# Allegro board PandaX_III_V3.brd (continued)
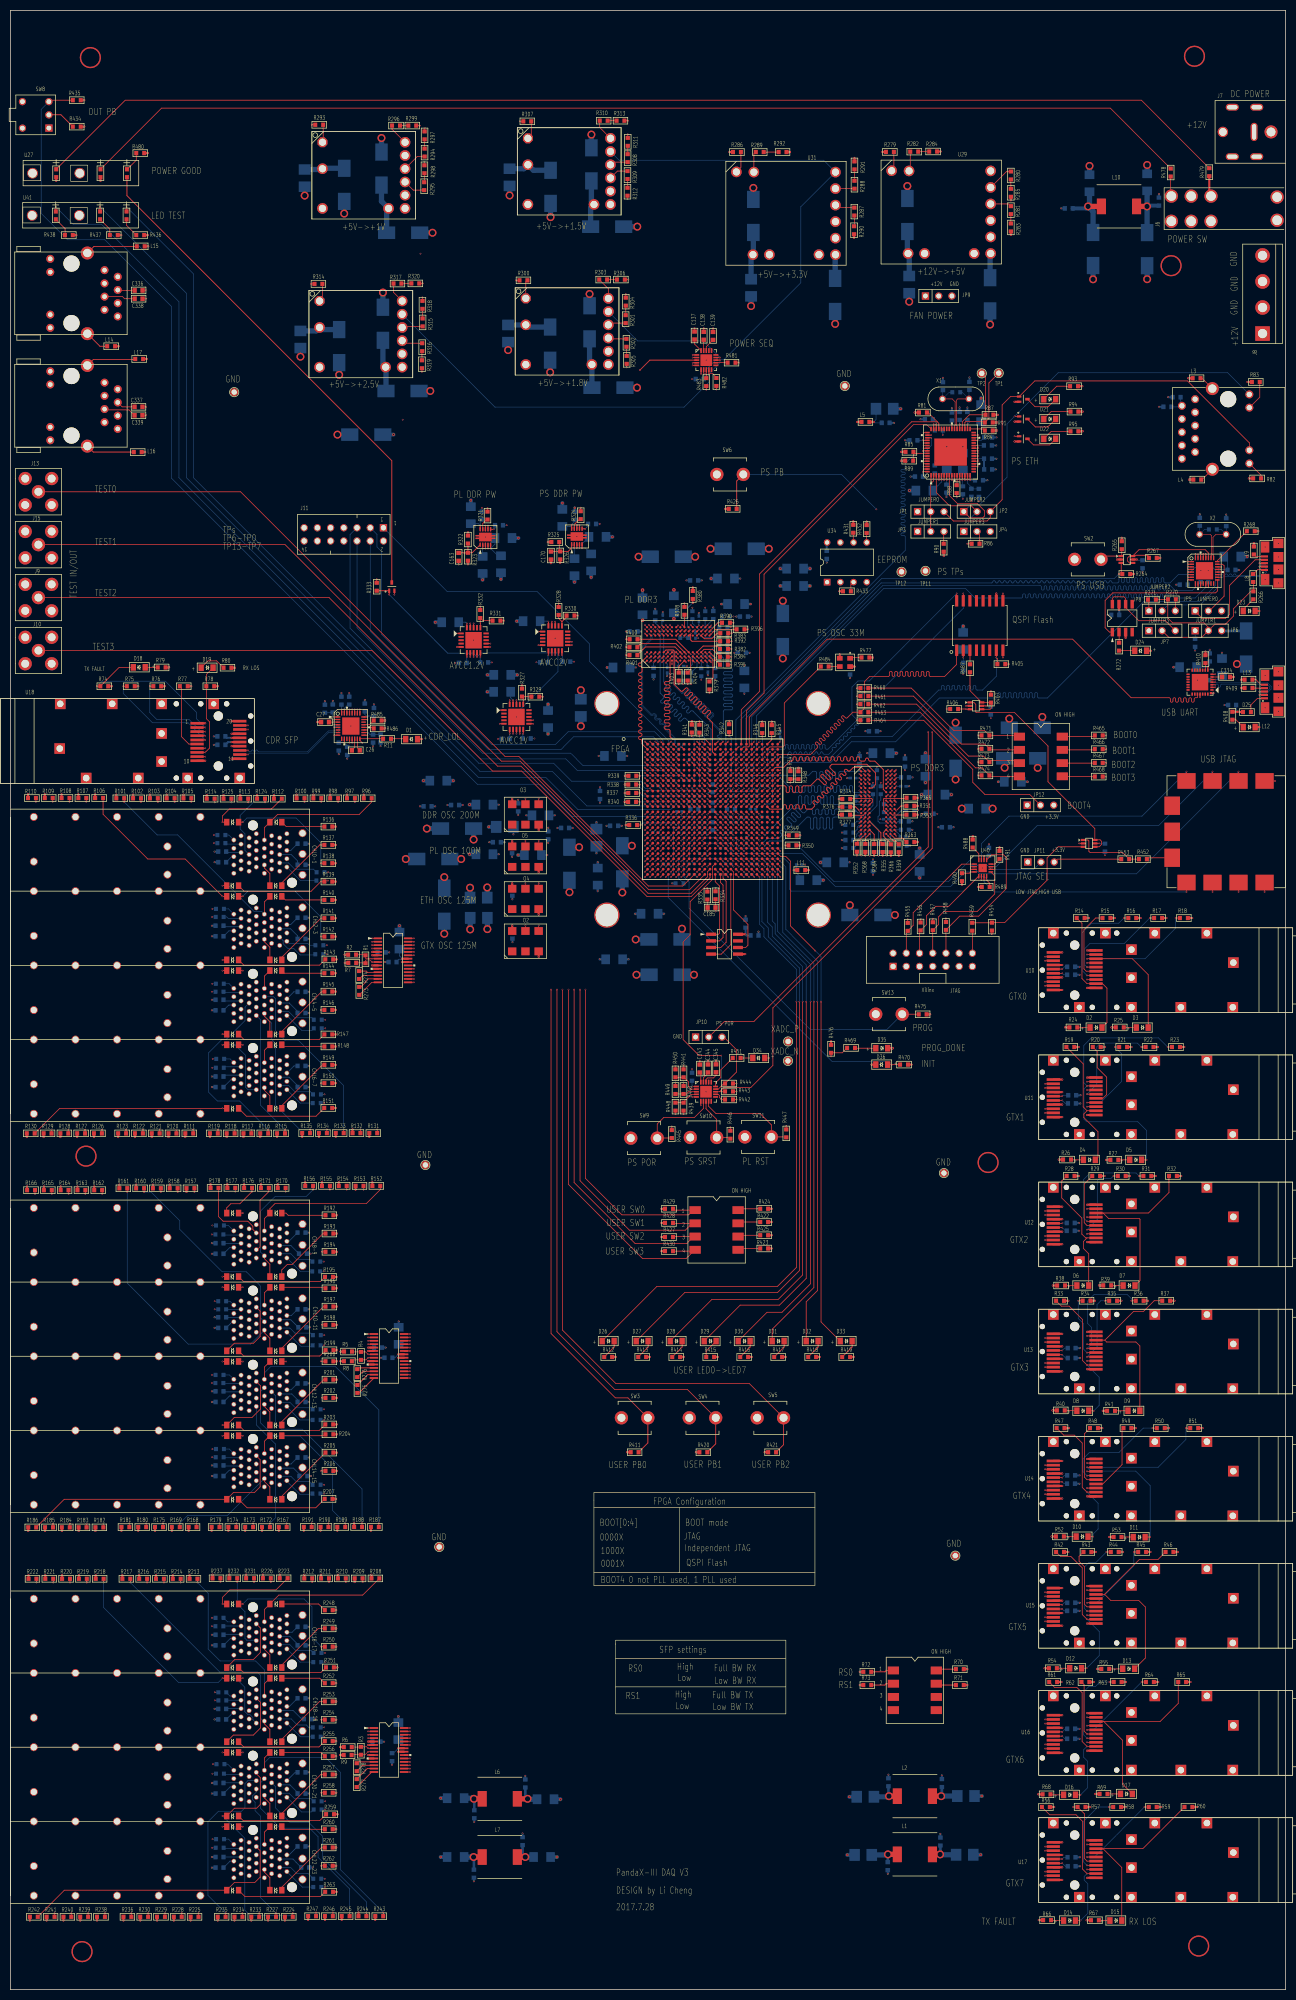
[diagram p0: board, top side]
## Nets (continued)

## Via types
v1: diameter 0.305, hole 0.203, TOP to BOTTOM, 2209 vias
v2: diameter 0.406, hole 0.203, TOP to BOTTOM, 9 vias
v3: diameter 1.524, hole 1.016, TOP to BOTTOM, 74 vias
v4: diameter 0.508, hole 0.254, TOP to BOTTOM, 53 vias
v5: diameter 0.66, hole 0.305, TOP to BOTTOM, 4 vias
v6: diameter 4.064, hole 3.556, TOP to BOTTOM, 7 vias

## Routing (per net, layer and track width the routed paths; a pad name or vN(x,y) marks a point on that pad's centre or on a via; arc(x,y) is an arc through that point)
AVCC1V: length 15.5
  TOP w0.102: U1.AE8 v1(128.92,214.62) ; U1.AD6 v1(126.92,215.62) ; U1.R4 v1(124.92,224.62) ; U1.AB6 v1(126.92,217.62) ; U1.AA4 v1(124.92,218.62) ; U1.U4 v1(124.92,222.62) ; U1.Y6 v1(126.92,219.62) ; U1.AC8 v1(128.92,216.62) ; U1.T6 v1(126.92,223.62) ; U1.AA8 v1(128.92,218.62)
  TOP w0.152: U20.20 v1(95.93,247.56) ; R327.1 v1(98.3,250.47) ; U20.18 v1(97.23,247.56) ; U20.19 v1(96.58,247.56) ; U20.1 v1(94.02,245.65)
  BOTTOM w0.152: C228.1 124.43,222.13 v1(124.92,222.62) ; C178.1 96.12,248.02 v1(96.58,247.56) ; v1(126.92,215.62) 126.44,216.1 C227.1
  BOTTOM w0.762: C229.1 v4(103.3,246.81)
AVCC1V2: length 15.3
  TOP w0.102: U1.AB7 v1(127.92,217.62) ; U1.W4 v1(124.92,220.62) ; U1.Y2 v1(122.92,219.62) ; U1.AE4 v1(124.92,214.62) ; U1.AF6 v1(126.92,213.62) ; U1.AC4 v1(124.92,216.62) ; U1.AD2 v1(122.92,215.62) ; U1.V2 v1(122.92,221.62) ; U1.AF2 v1(122.92,213.62) ; U1.T2 v1(122.92,223.62) ; U1.AB2 v1(122.92,217.62)
  TOP w0.152: U22.1 v1(85.79,260.38) ; U22.20 v1(87.7,262.29) ; U22.18 v1(89,262.29) ; R331.1 v1(94.84,262.84) ; U22.19 v1(88.35,262.29)
  BOTTOM w0.152: C183.1 87.46,262.54 v1(87.7,262.29)
  BOTTOM w0.381: R344.2 v1(127.13,212.4)
  BOTTOM w0.762: C230.1 v4(97.38,252.43)
AVCC2V: length 9.4
  TOP w0.102: U1.P10 v1(130.92,225.62) ; U1.T10 v1(130.92,223.62)
  TOP w0.152: U21.20 v1(103.37,262.65) ; U21.19 v1(104.02,262.65) ; R328.1 v1(105.33,266.14) ; U1.M10 v1(130.92,228.62) ; U21.18 v1(104.67,262.65) ; U21.1 v1(101.46,260.74)
  BOTTOM w0.152: C179.1 103.28,262.74 v1(103.37,262.65)
  BOTTOM w1.016: C226.1 v3(109.6,249.48)
GND: length 674.2
  TOP w0.102: U1.M11 v1(131.92,228.62) ; U1.M13 v1(133.92,228.62) ; U1.Y8 v1(128.92,219.62) ; U1.AC25 v1(146.93,216.62) ; U1.L12 v1(132.92,229.62) ; U1.G23 v1(144.93,233.62) ; U1.U3 v1(123.92,222.62) ; U1.J7 v1(127.92,231.62) ; U1.AD5 v1(125.92,215.62) ; U1.T11 v1(131.92,223.62) ; U1.P14 v1(135.93,225.62) ; U1.L16 v1(137.93,229.62) ; U1.L21 v1(142.93,229.62) ; U1.Y24 v1(145.93,219.62) ; U1.U7 v1(127.92,222.62) ; U1.N18 v1(139.93,227.62) ; U1.N16 v1(137.93,227.62) ; U1.Y14 v1(135.93,219.62) ; U1.V7 v1(127.92,221.62) ; U1.N10 v1(130.92,227.62) ; U1.T5 v1(125.92,223.62) ; U1.AD12 v1(132.92,215.62) ; U1.N5 v1(125.92,227.62) ; U1.P11 v1(131.92,225.62) ; U1.T19 v1(140.93,223.62) ; U1.AE7 v1(127.92,214.62) ; U1.V1 v1(121.92,221.62) ; U1.L1 v1(121.92,229.62) ; U43.G8 v1(126.73,261.16) ; U1.P3 v1(123.92,225.62) ; U1.T15 v1(136.93,223.62) ; U1.AA11 v1(131.92,218.62) ; U1.K4 v1(124.92,230.62) ; U1.L14 v1(135.93,229.62) ; U1.V15 v1(136.93,221.62) ; U43.E8 v1(125.13,261.16) ; U43.B9 v1(122.66,262.03) ; U1.T26 v1(147.93,223.62) ; U1.L10 v1(130.92,229.62) ; U1.W7 v1(127.92,220.62) ; U1.AE19 v1(140.93,214.62) ; U1.AB5 v1(125.92,217.62) ; U1.AF26 v1(147.93,213.62) ; U1.E19 v1(140.93,235.62) ; U1.U16 v1(137.93,222.62) ; U43.G1 v1(127.12,254.51) ; U1.AD9 v1(129.92,215.62) ; U1.Y5 v1(125.92,219.62) ; U1.N25 v1(146.93,227.62) ; U1.M19 v1(140.93,228.62) ; U1.P9 v1(129.92,225.62) ; U1.P6 v1(126.92,225.62) ; U1.U12 v1(132.92,222.62) ; U1.P1 v1(121.92,225.62) ; U1.AC7 v1(127.92,216.62) ; U1.Y9 v1(129.92,219.62) ; U1.R13 v1(133.92,224.62) ; U1.R7 v1(127.92,224.62) ; U1.A21 v1(142.93,239.62) ; U1.P2 v1(122.92,225.62) ; U1.U10 v1(130.92,222.62) ; U1.P19 v1(140.93,225.62) ; U1.F26 v1(147.98,234.12) ; U1.AC9 v1(129.92,216.62) ; U1.AB9 v1(129.92,217.62) ; U1.U23 v1(144.93,222.62) ; U1.AC15 v1(136.93,216.62) ; U1.L18 v1(139.93,229.62) ; U1.AA9 v1(129.92,218.62) ; U1.AB18 v1(139.93,217.62) ; U1.V20 v1(141.93,221.62) ; U1.U18 v1(139.93,222.62) ; U1.Y1 v1(121.92,219.62) ; U1.AD22 v1(143.93,215.62) ; U43.A9 v1(121.93,261.96) ; U1.R14 v1(135.93,224.62) ; U1.T13 v1(133.92,223.62) ; U1.R10 v1(130.92,224.62) ; U1.H20 v1(141.93,232.62) ; U1.R16 v1(137.93,224.62) ; U1.T1 v1(121.92,223.62) ; U1.AA7 v1(127.92,218.62) ; U1.AF1 v1(121.92,213.62) ; U43.G9 v1(126.73,261.96) ; U1.P7 v1(127.92,225.62) ; U43.D8 v1(124.33,261.16) ; U1.AA3 v1(123.92,218.62) ; U43.P1 v1(133.08,254.81) ; U1.V17 v1(138.93,221.62) ; U1.M15 v1(136.93,228.62) ; U1.AE3 v1(123.92,214.62) ; U1.P4 v1(124.92,225.62) ; U1.R3 v1(123.92,224.62) ; U1.P15 v1(136.93,225.62) ; U1.J17 v1(138.93,231.62) ; U1.C25 v1(146.93,237.62) ; U1.N12 v1(132.92,227.62) ; U1.G3 v1(123.92,233.62) ; U1.K24 v1(145.93,230.62) ; U1.Y7 v1(127.92,219.62) ; U43.F9 v1(125.93,261.96) ; U1.U14 v1(135.93,222.62) ; U1.P5 v1(125.92,225.62) ; U1.AC3 v1(123.92,216.62) ; U1.P22 v1(143.93,225.62) ; U1.AF9 v1(129.92,213.62) ; U1.AF16 v1(137.93,213.62) ; U1.R12 v1(132.92,224.62) ; U1.AE9 v1(129.92,214.62) ; U1.D22 v1(143.93,236.62) ; U1.AB1 v1(121.92,217.62) ; U1.AF5 v1(125.92,213.62) ; U1.AD1 v1(121.92,215.62) ; U1.R18 v1(139.93,224.62) ; U1.N13 v1(133.92,227.62) ; U1.V5 v1(125.92,221.62) ; U1.AA21 v1(142.93,218.62) ; U1.M17 v1(138.93,228.62) ; U1.W3 v1(123.92,220.62) ; U1.T9 v1(129.92,223.62) ; U1.P17 v1(138.93,225.62) ; U1.T17 v1(138.93,223.62) ; U1.V13 v1(133.92,221.62)
  TOP w0.127: U33.T1 v1(163.14,221.55) ; U43.T9 v1(134.66,261.91) ; U43.T1 v1(134.66,254.83) ; U33.B3 v1(164.74,233.43) ; U43.E2 v1(125.18,255.63) ; U33.M9 v1(170.21,224.75) ; U38.5 v1(131.04,171.39) ; U43.B3 v1(122.78,256.43) ; U33.P1 v1(163.14,223.15) ; U43.B1 v1(122.78,254.83) ; U43.D1 v1(124.38,254.83) ; C344.2 v1(134.04,178.33) ; U43.E1 v1(125.18,254.83) ; U33.E1 v1(163.14,231.03) ; C343.2 v1(132.46,178.31) ; U36.2 v1(183.61,246.48) ; U33.M1 v1(163.14,224.75) ; U33.G1 v1(163.14,229.43) ; R471.1 v1(185.9,240.79) ; U33.A9 v1(170.21,234.23) ; U33.B1 v1(163.14,233.43) ; U33.E2 v1(163.94,231.03) ; U42.2 v1(205.35,220.07) ; U40.6 v1(186.57,213.03) ; U33.E8 v1(169.41,231.03) ; R473.1 v1(185.9,235.68) ; R448.1 v1(127.79,168.07) ; U33.G9 v1(170.21,229.43) ; U43.J8 v1(129.06,261.11) ; R450.1 v1(127.79,177.37) ; U33.P9 v1(170.21,223.15) ; R472.1 v1(185.9,238.24) ; U33.T9 v1(170.21,221.55) ; U33.F9 v1(170.21,230.23) ; U33.D1 v1(163.14,231.83) ; U33.J2 v1(163.94,227.15) ; U39.1 v1(243.03,232.05) ; U33.B9 v1(170.21,233.43) ; U38.6 v1(132.65,169.77) ; U43.M1 v1(131.46,254.83) ; C345.2 v1(135.59,178.36) ; U43.J2 v1(129.06,255.63) ; R474.1 v1(185.9,233.12) ; U39.7 v1(235.98,210.75) ; R449.1 v1(127.79,174.17) ; U33.D8 v1(169.41,231.83) ; U33.G8 v1(169.41,229.43) ; U43.P9 v1(133.06,261.91) ; U33.J8 v1(169.41,227.15)
  TOP w0.152: C137.2 v1(131.44,319.05) ; U30.6 v1(132.7,310.23) ; R314.1 v1(57.73,327.48) ; C138.2 v1(133.22,319) ; U30.5 v1(131.09,311.85) ; U20.12 v1(100.44,243.7) ; U35.2 v1(231.48,250.03) ; U6.12 v1(182.39,289.86) ; U1.B8 v1(128.92,238.62) ; R305.1 v1(118.41,311.46) ; R298.1 v1(79.55,350.95) ; R88.1 v1(181.81,286.49) ; U4.13 v1(65.65,239.41) ; U1.C15 v1(136.93,237.62) ; U1.K14 v1(135.93,230.62) ; R319.1 v1(79.07,310.62) ; U4.8 v1(62.22,240.85) ; U1.D2 v1(122.92,236.62) ; R293.1 v1(57.89,358.04) ; R299.1 v1(78.66,357.89) ; Q4.1 v1(73.78,267.84) ; U1.H10 v1(130.92,232.62) ; U1.B18 v1(139.93,238.62) ; U1.M9 v1(129.92,228.62) ; U1.F6 v1(126.92,234.62) ; R329.2 v1(102.31,248.24) ; U1.E9 v1(129.92,235.62) ; U1.G13 v1(133.92,233.62) ; R320.1 v1(79.25,327.58) ; U4.17 v1(68.59,240.85) ; U4.27 v1(66.15,245.78) ; U1.A11 v1(131.92,239.62) ; R330.2 v1(109.07,263.81) ; U28.4 v1(91.76,276.69) ; R379.1 v1(134.32,248.95) ; U43.M9 v1(130.69,262) ; U32.4 v1(109.34,276.8) ; R313.1 v1(118.67,358.83) ; U4.30 v1(64.66,245.78) ; C139.2 v1(135,318.97) ; R312.1 v1(118.57,343.74) ; U1.A1 v1(121.92,239.62) ; R300.1 v1(97.13,328.17) ; U1.F16 v1(137.93,234.62) ; U22.12 v1(92.21,258.43) ; U32.8 v1(108.84,281.19) ; C163.2 v1(86.13,273.61) ; U1.C5 v1(125.92,237.62) ; U21.12 v1(107.89,258.79) ; R306.1 v1(118.75,328.32) ; U4.23 v1(68.59,243.85) ; U35.29 v1(231.2,248.92) ; R307.1 v1(97.87,358.7) ; R332.2 v1(90.27,265.56) ; U28.8 v1(91.26,281.09) ; R343.1 v1(132.38,243.54) ; U4.19 v1(68.59,241.85) ; U1.D12 v1(132.92,236.62)
  TOP w0.381: O4.3 v1(101.5,206.4) ; U17.10 v1(206.86,28.65) ; R346.1 v1(144.45,243.46) ; U17.14 v1(202.11,25.86) ; R352.1 v1(162.64,217.78) ; U16.20 v1(202.11,45.47) ; U17.17 v1(202.11,23.47) ; O5.3 v1(101.5,214.51) ; R409.1 v1(236.45,249.91) ; U15.1 v1(206.86,70.28) ; Q2.1 v1(192.93,301.05) ; R418.2 v1(155.5,121.46) ; U3.6 v1(68.73,122.62) ; U15.11 v1(202.11,77.09) ; R414.2 v1(129.37,121.46) ; U2.6 v1(69.49,198.59) ; U16.11 v1(202.11,52.68) ; R84.1 v1(189.59,299.34) ; R416.2 v1(142.43,121.46) ; U14.20 v1(202.11,94.29) ; R291.1 v1(162.18,351.69) ; R412.2 v1(116.31,121.46) ; R436.2 v1(26.39,336.86) ; R279.1 v1(167.54,352.83) ; U16.10 v1(206.86,53.06) ; R87.1 v1(189.71,302.36) ; U17.1 v1(206.86,21.46) ; R283.1 v1(192.23,336.88) ; R426.1 v1(137.34,284.3) ; U13.11 v1(202.11,125.91) ; R73.1 v1(163.19,58.47) ; R284.1 v1(178.74,352.91) ; U18.1 v1(37.44,243.13) ; R380.1 v1(131.11,269.22) ; U12.10 v1(206.86,150.7) ; R435.1 v1(14.2,362.76) ; R341.1 v1(130.91,243.56) ; U13.14 v1(202.11,123.5) ; U10.14 v1(202.11,196.72) ; R428.1 v1(125.09,147.2) ; U2.21 v1(75.29,197.29) ; R429.1 v1(125.09,149.91) ; R348.1 v1(151.41,234.6) ; U11.17 v1(202.11,169.93) ; L15.1 v1(26.49,334.7) ; L17.1 v1(26.19,313.08) ; U19.21 v1(74.53,45.68) ; U10.11 v1(202.11,199.14) ; O1.2 v1(159.35,256.37) ; R91.1 v1(189.59,300.89) ; U10.17 v1(202.11,194.34) ; U19.6 v1(68.73,46.98) ; R419.2 v1(162.03,121.46) ; U11.10 v1(206.86,175.11) ; U17.20 v1(202.11,21.06) ; D25.2 v1(239.98,242.39) ; C334.2 v1(235.05,252.02) ; O3.3 v1(101.5,222.62) ; U17.11 v1(202.11,28.27) ; R437.2 v1(21.31,336.86) ; U37.10 v1(189.43,268.05) ; L3.1 v1(226.31,309.37) ; U15.10 v1(206.86,77.47) ; U10.10 v1(206.86,199.52) ; R353.1 v1(174.37,225.58) ; C170.2 v1(103.86,273.86) ; U10.20 v1(202.11,191.92) ; U18.11 v1(42.49,236.32) ; U12.17 v1(202.11,145.52) ; R415.2 v1(135.9,121.46) ; R421.1 v1(144.91,103.18) ; U13.20 v1(202.11,118.7) ; U18.20 v1(42.49,243.54) ; R326.1 v1(105.64,273.91) ; U19.9 v1(68.73,45.03) ; R7.2 v1(64.24,197.13) ; R286.1 v1(138.15,352.81) ; U2.9 v1(69.49,196.64) ; R427.1 v1(125.09,144.49) ; R420.1 v1(131.7,103.18) ; D35.2 v4(169.47,180.75) ; U18.14 v1(42.49,238.74) ; R323.1 v1(87.91,273.66) ; R268.1 v1(239.78,280.01) ; U18.17 v1(42.49,241.12) ; R417.2 v1(148.96,121.46) ; U12.20 v1(202.11,143.1) ; U14.14 v1(202.11,99.09) ; U15.20 v1(202.11,69.88) ; L16.1 v1(25.91,295.2) ; R90.1 v1(179.32,275.24) ; L13.2 v1(236.45,251.51) ; U27.4 v1(8.8,347.27) ; U12.11 v1(202.11,150.32) ; U13.17 v1(202.11,121.11) ; R292.1 v1(149.81,352.81) ; U12.1 v1(206.86,143.51) ; R350.1 v1(151.71,219.69) ; R8.2 v1(63.4,120.65) ; U10.1 v1(206.86,192.33) ; U13.1 v1(206.86,119.1) ; DU3.5 v1(141.2,198.81) ; U3.21 v1(74.53,121.32) ; U16.17 v1(202.11,47.88) ; D23.2 v1(239.98,264.69) ; R340.1 v1(118.01,228.04) ; U15.17 v1(202.11,72.29) ; U11.14 v1(202.11,172.31) ; U14.10 v1(206.86,101.88) ; U11.1 v1(206.86,167.92) ; L14.1 v1(20.8,315.52) ; D36.2 v1(165.46,177.6) ; R89.1 v1(171.09,293.55) ; L9.2 v1(238.91,277.75) ; U14.1 v1(206.86,94.69) ; R430.1 v1(125.09,141.78) ; U16.1 v1(206.86,45.87) ; R413.2 v1(122.84,121.46) ; C27.1 v1(58.98,243.36) ; U3.9 v1(68.73,120.67) ; U13.10 v1(206.86,126.29) ; R72.1 v1(163.19,61.01) ; R411.1 v1(118.49,103.18) ; R9.2 v1(63.35,45.04) ; U18.10 v1(37.44,235.94) ; 200.38,96.7 v1(202.11,96.7) ; L4.1 v1(226.44,289.92) ; Q3.1 v1(192.93,297.24) ; U11.11 v1(202.11,174.73) ; U14.11 v1(202.11,101.5) ; U27.6 v1(17.31,347.27) ; U7.2 v1(212.62,274.58) ; R339.1 v1(118.06,233.05) ; O2.3 v1(101.5,198.29) ; U12.14 v1(202.11,147.91) ; U11.20 v1(202.11,167.51) ; R438.2 v1(12.67,336.86) ; U16.14 v1(202.11,50.27) ; U15.14 v1(202.11,74.68) ; U9.3 v1(214.27,259.51) ; Q1.1 v1(192.93,304.86)
  BOTTOM w0.102: C302.2 v1(167.14,224.71)
  BOTTOM w0.127: C328.2 v1(183.08,252.53) ; C307.2 v1(178.1,225.76) ; C329.2 v1(188.37,244.1) ; C348.2 v1(210.31,217.78) ; C346.2 v1(130.96,176.73)
  BOTTOM w0.152: v1(130.92,227.62) 130.66,227.36 C246.2 ; C177.2 v1(108.28,254.97) ; C67.2 v1(177.62,293.5) ; v1(131.92,228.62) 131.42,228.12 C205.2 ; C66.2 v1(179.15,298.49) ; v1(127.92,221.62) 128.4,222.09 C192.2 ; v1(124.92,230.62) 124.43,231.11 C209.2 ; v1(140.93,214.62) 141.42,214.12 C201.2 ; v1(136.93,221.62) 137.41,222.1 C262.2 ; C268.2 141.44,232.13 v1(141.93,232.62) 141.45,233.1 C276.2 ; C200.2 137.44,214.11 v1(137.93,213.62) ; v1(135.93,219.62) 136.42,219.13 C195.2 ; C204.2 141.45,221.13 v1(141.93,221.62) ; v1(143.93,215.62) 143.43,216.11 C203.2 ; v1(125.92,215.62) 125.43,216.11 C227.2 ; v1(130.92,232.62) 130.41,232.11 C187.1 ; C228.2 123.43,222.12 v1(123.92,222.62) ; C190.1 U1.D2 v1(122.92,236.62) ; v1(135.93,230.62) 135.16,231.4 C253.2 ; C247.2 137.69,227.39 v1(137.93,227.62) ; v1(131.92,223.62) 132.41,223.13 C264.2 ; C217.2 137.42,234.11 v1(137.93,234.62) ; C218.2 128.43,238.13 v1(128.92,238.62) 129.42,239.12 C289.2 ; v1(136.93,225.62) 137.41,225.13 C250.2 ; C206.2 125.44,221.13 v1(125.92,221.62) ; C290.2 144.42,225.12 v1(143.93,225.62) 143.18,226.36 C220.2 ; C194.2 132.41,218.13 v1(131.92,218.62) ; v1(163.14,229.43) 162.89,229.19 C301.2 ; v1(140.93,228.62) 141.41,228.14 C279.2 ; C208.2 142.44,229.14 v1(142.93,229.62) 143.42,229.13 C278.2 ; C180.2 v1(100.69,240.21) ; v1(146.93,237.62) 146.42,237.11 C272.2 ; v1(135.93,225.62) 135.7,225.62 C186.2 ; C266.2 138.41,224.13 v1(138.93,223.62) ; C173.2 v1(113.23,281.41) ; v1(145.93,230.62) 145.44,231.11 C216.2 ; C68.2 v1(183.01,286.23) ; C319.2 v1(132.18,259.46) ; v1(127.92,225.62) 128.04,225.74 C211.2 ; C198.2 137.42,216.13 v1(136.93,216.62) ; v1(133.92,233.62) 134.42,234.12 C188.1 ; v1(137.93,229.62) 138.4,229.14 C249.2 ; v1(136.93,237.62) 136.42,237.12 C288.2 ; C182.2 v1(85.45,254.71) ; C248.2 135.92,222.61 v1(135.93,222.62) ; C199.2 130.4,214.1 v1(129.92,213.62) ; C189.1 133.43,236.12 v1(132.92,236.62) ; C261.2 131.41,229.13 v1(130.92,229.62) ; C265.2 127.43,232.11 v1(127.92,231.62) ; v1(133.92,221.62) 133.43,222.11 C191.2 ; C259.2 140.41,225.1 v1(139.93,224.62) ; C320.2 v1(129.98,254.1) ; C263.2 v1(132.92,224.62) ; C221.2 130.42,236.12 v1(129.92,235.62) ; v1(126.92,234.62) 127.41,234.14 C219.2 ; C176.2 v1(93.7,240.13) ; C267.2 v1(136.93,228.62) ; C166.2 v1(95.35,281.15) ; v1(140.93,235.62) 141.43,235.12 C260.2 C277.2 ; C207.2 129.44,223.14 v1(129.92,223.62) ; C193.2 130.4,216.1 v1(129.92,215.62) ; C181.2 v1(101.07,254.84) ; C499.2 v1(130.96,309.22) ; C165.2 v1(90.6,284.48) ; C184.2 v1(92.51,254.81) ; C215.2 v1(121.92,239.62)
  BOTTOM w0.381: C486.2 v1(205.64,171.71) ; C350.2 v1(161.34,251.79) ; C498.2 v1(205.51,25.4) ; C331.2 v1(233.27,246.64) ; C78.1 v1(38.71,37.64) ; C500.1 v1(98.4,29.97) ; C49.2 v1(179.86,286.56) ; C99.1 v1(38.71,143.31) ; C65.2 v1(180.9,303.66) ; C55.2 v1(169.8,300.81) ; C52.2 v1(189.33,291.87) ; C241.2 v1(92,220.3) ; C318.2 v1(126.19,252.19) ; C488.2 v1(205.36,147.19) ; C85.1 v1(39.22,53.9) ; C285.2 v1(164.26,241.61) ; C83.1 v1(38.71,23.42) ; C496.2 v1(205.44,50.06) ; C324.2 v1(142.04,256.67) ; C494.2 v1(205.46,74.27) ; C326.2 v1(118.26,260.76) ; C94.1 v1(38.71,112.83) ; C254.2 v1(78.69,227.18) ; C110.1 v1(38.71,188.01) ; C317.2 v1(134.01,252.34) ; C255.2 v1(113.28,230.84) ; C323.2 v1(141.02,248.8) ; C38.2 v1(168.71,41.28) ; C354.2 v1(96.44,209.32) ; C76.1 v1(57.4,69.65) ; C101.1 v1(39.22,129.08) ; C79.1 v1(57.4,37.64) ; C116.1 v1(57.4,177.34) ; C342.2 v1(141.25,206.12) ; C106.1 v1(57.4,220.02) ; C311.2 v1(135.05,265.38) ; C53.2 v1(186.08,285.75) ; C497.2 v1(205.54,23.67) ; C245.2 v1(105.11,223.04) ; C80.1 v1(38.71,68.12) ; C104.1 v1(57.4,116.38) ; C113.1 v1(39.22,218.49) ; C244.2 v1(114.53,223.44) ; C310.2 v1(123.9,265.13) ; C355.2 v1(96.47,201.09) ; C333.2 v1(228.09,251.41) ; C47.2 v1(172.95,290.5) ; C112.1 v1(38.71,173.28) ; C36.2 v1(178.69,29.9) ; C487.2 v1(205.36,145.7) ; C300.2 v1(172.61,221.39) ; C294.2 v1(160.77,232.61) ; C308.2 v1(171.88,237.06) ; C292.2 v1(163.14,237.54) ; C60.2 v1(189.43,296.47) ; C297.2 v1(159.74,220.7) ; C231.2 v1(113.01,236.86) ; C59.2 v1(187.73,289.79) ; C22.1 v1(69.85,246.76) ; C77.1 v1(38.71,39.68) ; C25.1 v1(60.43,247.4) ; C74.1 v1(57.4,27.48) ; C88.1 v1(57.4,55.93) ; C111.1 v1(38.71,175.31) ; C493.2 v1(205.44,72.72) ; C63.2 v1(189.48,298.02) ; C130.2 v1(228.52,283.29) ; C40.2 v1(178.97,41.12) ; C293.2 v1(173.35,232.74) ; C103.1 v1(57.76,98.6) ; C312.2 v1(125.35,264.5) ; C97.1 v1(57.56,127.15) ; C54.2 v1(184.63,285.78) ; C105.1 v1(57.4,215.95) ; C340.2 v1(156.84,273.99) ; C492.2 v1(205.44,98.73) ; C306.2 v1(165.73,214.05) ; C313.2 v1(132.28,264.33) ; C485.2 v1(205.59,170.13) ; C358.2 v1(217.53,272.19) ; C34.2 v1(168.58,22.23) ; C335.2 v1(232.79,256.69) ; C341.2 v1(143.74,203.14) ; C128.2 v1(210.82,263.93) ; C222.2 v1(152.69,216) ; C84.1 v1(57.4,41.71) ; C502.1 v1(89.05,20.78) ; C121.2 v1(227.63,257.1) ; C93.1 v1(38.71,114.86) ; C43.2 v1(220.68,303.89) ; C42.2 v1(222.45,305.74) ; C495.2 v1(205.44,48.16) ; C325.2 v1(142.42,263.63) ; C491.2 v1(205.41,97.13) ; C61.2 v1(189.46,293.93) ; C108.1 v1(57.4,191.57) ; C10.2 v1(74.6,128.29) ; C73.1 v1(58.12,23.45) ; C12.1 v1(71.17,121.31) ; C484.2 v1(205.44,196.37) ; C81.1 v1(38.71,66.09) ; C100.1 v1(38.71,141.28) ; C490.2 v1(205.54,123.17) ; C330.2 v1(230.43,257.25) ; C483.2 v1(205.44,194.84) ; C31.1 v1(69.67,238.71) ; C119.1 v1(57.4,201.73) ; C56.2 v1(182.37,303.76) ; C48.2 v1(171.88,297.46) ; C24.1 v1(61.95,247.45) ; C295.2 v1(172.71,231.04) ; C87.1 v1(58.62,51.94) ; C9.1 v1(71.96,197.28) ; C481.2 v1(39.07,238.99) ; C90.1 v1(57.4,145.34) ; C132.2 v1(220.68,344.76) ; C89.1 v1(57.68,141.3) ; C357.2 v1(97.56,225.5) ; C30.1 v1(71.12,238.74) ; C125.2 v1(228.73,272.47) ; C135.2 v1(201.88,341.99) ; C298.2 v1(173.33,224.31) ; C124.2 v1(230.15,272.44) ; C23.1 v1(68.1,247.63) ; C114.1 v1(39.22,216.46) ; C102.1 v1(39.22,127.05) ; C45.2 v1(184.28,309.53) ; C123.2 v1(223.98,269.75) ; C46.2 v1(174.85,301.5) ; C117.1 v1(38.71,204.27) ; C98.1 v1(57.4,130.61) ; C86.1 v1(39.22,51.87) ; C299.2 v1(160.46,226.32) ; C92.1 v1(57.4,102.16) ; C21.1 v1(65.1,248.95) ; C252.2 v1(103.33,220.14) ; C15.1 v1(71.81,47.6) ; C127.2 v1(236.09,272.57) ; C14.1 v1(73.33,43.16) ; C96.1 v1(38.71,98.6) ; C482.2 v1(39.07,240.62) ; C11.1 v1(72.11,123.27) ; C286.2 v1(129.9,270.56) ; C82.1 v1(38.71,25.45) ; C489.2 v1(205.54,121.26) ; C129.2 v1(233.6,283.21) ; C243.2 v1(99.09,225.45) ; C44.2 v1(179.17,309.47) ; C251.2 v1(83.97,227.43) ; C95.1 v1(38.71,100.64) ; C109.1 v1(38.71,190.04) ; C351.2 v1(96.39,217.48) ; C118.1 v1(38.71,202.24) ; C271.2 v1(147.9,242.1) ; C70.1 v1(98.93,41.05) ; C91.1 v1(57.4,112.83) ; C115.1 v1(57.4,173.28) ; C20.1 v1(63.6,248.95) ; C287.2 v1(178.28,223.17) ; C347.2 v1(188.01,219.91) ; C315.2 v1(123.57,251.54) ; C62.2 v1(183.87,303.76) ; C8.1 v1(72.8,199.14) ; C316.2 v1(135.41,251.49) ; C120.1 v1(57.4,205.79) ; C32.1 v1(63.09,237.19) ; C75.1 v1(57.4,66.09) ; C33.1 v1(64.72,236.35) ; C501.1 v1(89.13,32.18) ; C107.1 v1(57.4,187.5)
  BOTTOM w0.508: C274.2 v2(189.8,231.9) ; C332.2 v2(223.48,253.9) ; C13.2 v2(74.55,52.45) ; C321.2 v5(127.48,268.76) ; C172.2 v2(108.43,284.51) ; C314.2 v2(114.61,253.85) ; C270.2 v1(120.05,206.55) ; C322.2 v2(142.23,266.02) ; C240.2 v1(112.85,210.93) ; C309.2 v5(121.46,268.71) ; C196.2 v1(112.6,218.19) ; C282.2 v1(113.24,197.82)
  BOTTOM w0.762: C327.2 v4(183.06,261.79) ; C174.2 v4(111.58,271.15) ; C171.2 v4(106.04,285.41) ; C58.2 v4(183.01,296.24) ; C169.2 v4(108.38,270.24) ; C72.2 v4(82.68,25.45) ; C304.2 v4(180.79,229.44) ; C296.2 v4(155.63,216.43) ; C51.2 v4(186.51,305.56) ; C223.2 v4(156.18,213.01) ; C503.2 v4(105.02,25.45) ; C283.2 v4(134.63,270.92) ; C275.2 v4(147.91,272.82) ; C168.2 v4(94.26,270.8) ; C50.2 v4(179.91,296.24) ; C175.2 v4(115.67,278.92) ; C179.2 v4(97.29,262.74) ; C39.2 v4(161.19,37.01) ; C162.2 v4(90.73,270.67) ; C69.2 v4(105.68,36.55) ; C236.2 v4(91.92,223.24) ; C37.2 v4(186.44,25.88) ; C178.2 v4(91.62,249.18) ; C183.2 v4(81.64,262.54) ; C229.2 v4(103.3,241.08) ; C71.2 v4(82.68,36.75) ; C238.2 v4(88.22,227.51) ; C57.2 v4(171.04,303.51) ; C167.2 v4(97.61,278.69) ; C239.2 v4(88.22,217.98) ; C126.2 v4(237.64,275.13) ; C230.2 v4(91.65,252.43) ; C303.2 v4(175.82,237.46) ; C237.2 v4(97.54,217.83) ; C35.2 v4(160.78,25.86) ; C257.2 v4(79.36,232.11) ; C64.2 v4(172.75,287.81) ; C291.2 v4(170.22,237.39) ; C41.2 v4(186.66,37.16) ; C164.2 v4(88.47,285.95) ; C258.2 v4(147.91,269.5) ; C7.2 v4(74.75,204.26) ; C305.2 v4(174.7,213.44)
  BOTTOM w1.016: C235.2 v3(80.01,222.91) ; C242.2 v3(75.97,217.07) ; C141.2 v3(172.34,346.28) ; C140.2 v3(172.69,324.08) ; C149.2 v3(81.1,337.31) ; C145.2 v3(158.47,319.81) ; C146.2 v3(56.54,344.45) ; C131.2 v3(218.41,350.32) ; C142.2 v3(188.24,319.69) ; C143.2 v3(142.32,323.24) ; C160.2 v3(80.67,306.93) ; C281.2 v3(161.29,208.2) ; C154.2 v3(95.91,344.48) ; C159.2 v3(63.17,310.03) ; C147.2 v3(64.13,341) ; C151.2 v3(103.71,310.52) ; C280.2 v3(120.29,194.84) ; C136.2 v3(208.03,328.37) ; 71.58,323.01 v3(71.58,325.83) ; C256.2 v3(148.41,266.65) ; C157.2 v3(120.45,338.48) ; C153.2 v3(120.4,307.57) ; C232.2 v3(107.42,210.69) ; C224.2 v3(88.32,211.56) ; C134.2 v3(207.34,350.14) ; 65.2,298.55 v3(62.84,298.55) ; C214.2 v3(120.7,275.11) ; C144.2 v3(142.75,345.92) ; C133.2 v3(218.41,328.4) ; C213.2 v3(181.61,243.26) ; C226.2 v3(109.6,242.57) ; C156.2 v3(111.63,356.16) ; C155.2 v3(103.78,340.31) ; C225.2 v3(88.34,203.56) ; C212.2 v3(134.52,276.63) ; C158.2 v3(55.73,313.51) ; C234.2 v3(117.58,210.64) ; C284.2 v3(182.8,226.75) ; C269.2 v3(191.03,234.6) ; C122.2 v3(235.66,254.51) ; C197.2 v3(120.14,201.63) ; C150.2 v3(95.63,314.78) ; C273.2 v3(191.92,244.02) ; C148.2 v3(71.3,355.5) ; C210.2 v3(83.36,202.72) ; C152.2 v3(111.28,325.55)
  vias: v1(65.4,242.6) v1(89,259.08) v1(91.26,278.89) v1(97.23,244.35) v1(104.67,259.44) v1(108.84,278.99) v1(133.65,172.39) v1(133.71,312.85) v1(186.82,215.34) v1(241.09,276.97) v1(241.09,270.76) v1(241.09,252.33) v1(241.09,246.12) v1(243.64,277.66) v1(243.64,275.06) v1(243.64,272.67) v1(243.64,270.06) v1(243.64,253.03) v1(243.64,250.42) v1(243.64,248.03) v1(243.64,245.43) v6(13.77,7.29) v6(14.53,160.02) v6(15.37,370.94) v6(187.86,158.8) v6(223.01,330.99) v6(227.51,371.2) v6(228.32,8.36)
